# Altium PCB SNES TST Main.PcbDoc (part 2 of 3) (continued)
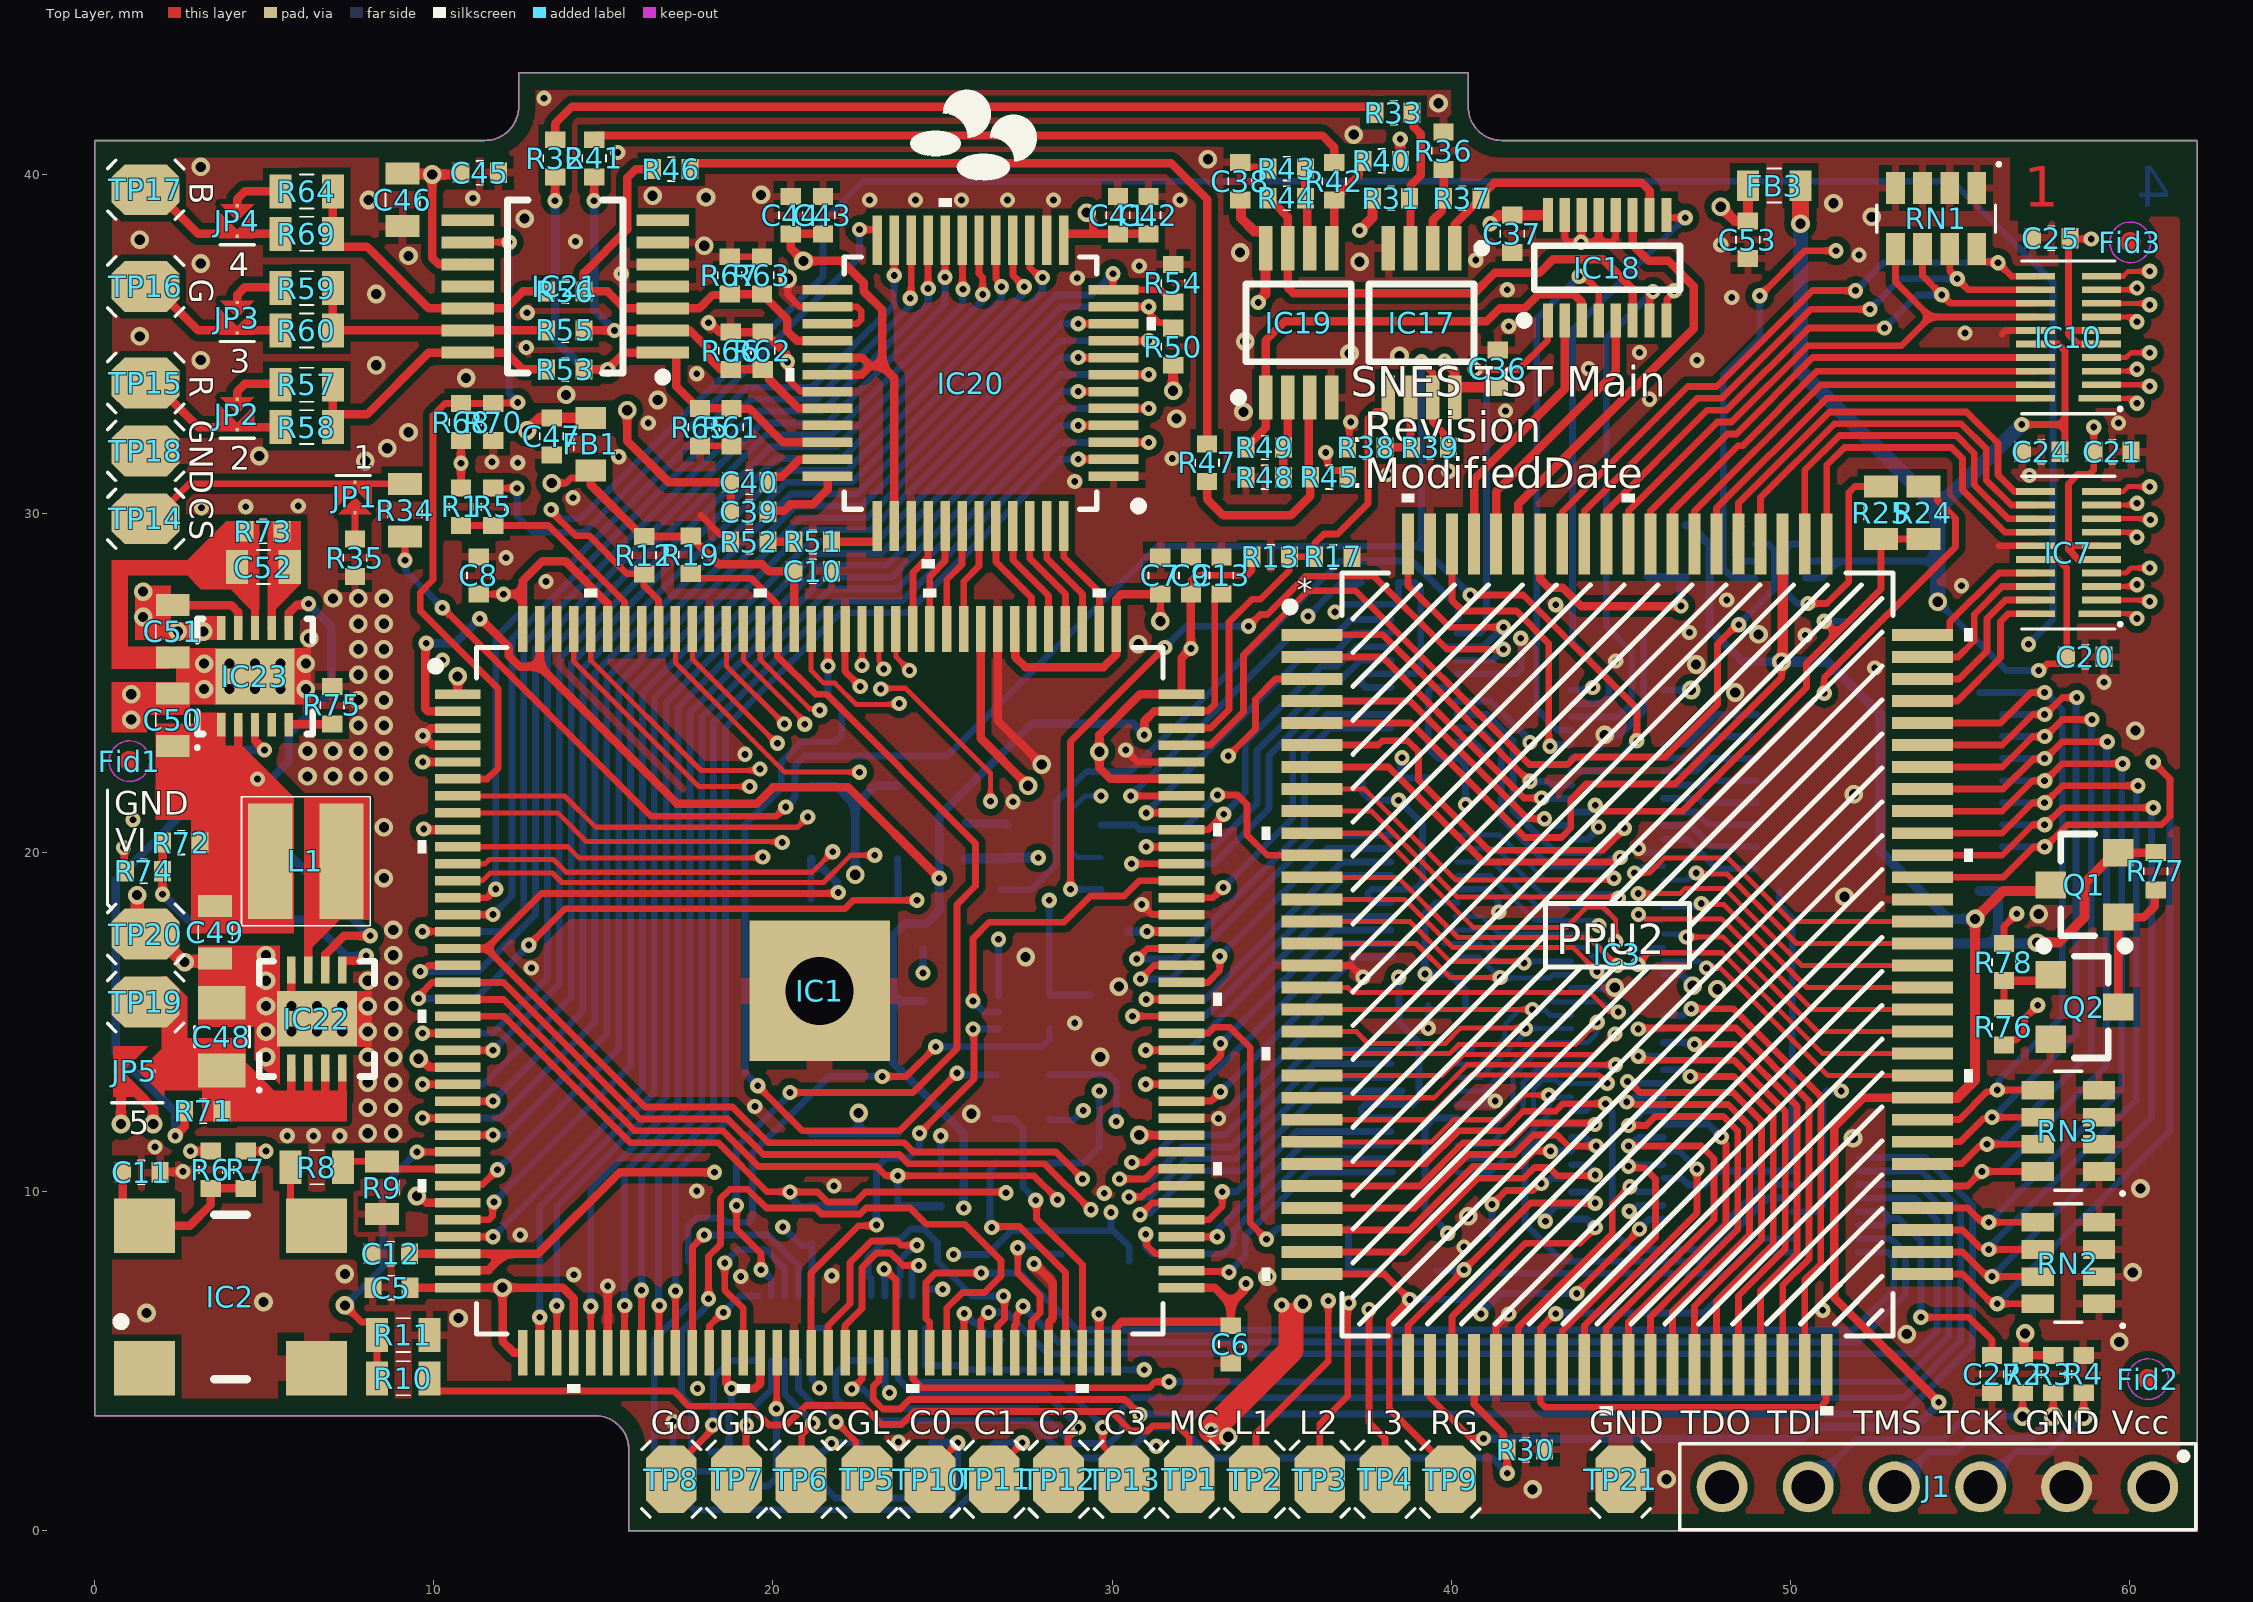
[diagram p0: Top Layer view]
## Nets (pads, with @x,y where several pads share a name; then routed paths per layer and width w, separated by ;. In a path a pad name is that pad's centre, name@x,y a point inside that pad or via, vN(x,y) a via of type N, cw(c..) or ccw(c..) an arc to the next point about the centre after c; other vN are vias at no path point) (continued)
D3V5: IC1.90 IC9.8 | length 9.9
  Top Layer w0.2: v1(31.005,15.675) IC1.90@32.047,15.675
  Bottom Layer w0.2: v1(31.005,15.675) 32.735,15.675 36.785,19.725 IC9.8@38.225,19.725
D3V6: IC1.91 IC9.9 | length 8.1
  Top Layer w0.2: IC1.91@32.047,16.175 32.823,16.175 33.175,16.527 v1(33.175,16.95)
  Bottom Layer w0.2: v1(33.175,16.95) 36.35,20.125 IC9.9@38.225,20.125
D3V7: IC1.92 IC9.10 | length 10.5
  Top Layer w0.2: v1(30.839,16.275) 31.24,16.675 IC1.92@32.047,16.675
  Bottom Layer w0.2: v1(30.839,16.275) 31.75,16.275 35.413,19.938 36,20.525 IC9.10@38.225,20.525
D4PPU: IC3.11 IC4.4 | length 9.3
  Top Layer w0.2: v1(33.107,21.704) 33.696,21.704 33.975,21.425 33.975,20.525 34.575,19.925 IC3.11@35.9,19.925 34.625,19.925
  Bottom Layer w0.2: IC4.4@29.673,20.814 30.686,20.814 30.825,20.675 32.078,20.675 v1(33.107,21.704)
D5V0: IC3.15 IC9.20 J2.44 | length 9.6
  Top Layer w0.15: IC3.15@35.9,17.325 38.961,17.325 39.961,16.325 41.446,16.325 v1(41.449,16.323)
  Bottom Layer w0.15: IC9.20@40.175,16.925 40.816,16.925 41.418,16.323 v1(41.449,16.323) ; v1@41.45,16.325 41.475,16.3 42.9,16.3 43,16.4 J2.44@43.545,16.4
D5V1: IC3.14 IC9.19 J2.42 | length 10.6
  Top Layer w0.15: IC3.14@35.9,17.975 38.78,17.975 39.955,16.8 42.1,16.8 v1(42.15,16.75)
  Bottom Layer w0.15: IC9.19@39.791,17.325 40.84,17.325 41.392,16.773 42.127,16.773 v1(42.15,16.75) ; v1@42.268,16.8 J2.42@43.545,16.8
D5V2: IC3.13 IC9.18 J2.40 | length 14.4
  Top Layer w0.15: IC3.13@35.9,18.625 38.625,18.625 40.05,17.2 43.6,17.2 v1(44.3,16.5)
  Bottom Layer w0.15: IC9.18@39.826,17.725 40.864,17.725 41.389,17.2 J2.40@43.545,17.2 43.908,17.2 44.3,16.808 v1(44.3,16.5)
D5V3: IC3.12 IC9.17 J2.38 | length 15.5
  Top Layer w0.15: IC3.12@35.9,19.275 38.425,19.275 40.2,17.5 44.067,17.5 44.891,16.676 v1(44.902,16.676)
  Bottom Layer w0.15: IC9.17@40.11,18.125 40.889,18.125 41.414,17.6 J2.38@43.545,17.6 43.549,17.596 43.971,17.596 44.891,16.676 v1(44.902,16.676)
D5V4: IC4.5 IC9.14 J2.36 | length 24.3
  Power Layer w0.15: v1(29.675,21.675) 30.675,20.675 39.775,20.675 42.599,17.851 v1(44.352,17.851)
  Bottom Layer w0.15: IC4.5@29.673,19.864 28.986,19.864 28.775,20.075 28.775,21.25 29.2,21.675 v1(29.675,21.675) v1@29.673,21.673 ; IC9.14@40.175,19.325 41.141,19.325 42.466,18 44.203,18 v1(44.352,17.851)
D5V5: IC3.10 IC9.13 J2.34 | length 17.2
  Top Layer w0.15: IC3.10@35.9,20.575 37.875,20.575 40.65,17.8 43.4,17.8 44,18.4 44.475,18.4 44.85,18.025 v1(44.85,17.375)
  Bottom Layer w0.15: IC9.13@40.175,19.725 41.236,19.725 42.561,18.4 44.448,18.4 44.85,17.998 v1(44.85,17.375)
D5V6: IC3.9 IC9.12 J2.32 | length 15.5
  Top Layer w0.15: IC3.9@35.9,21.225 37.649,21.225 40.174,18.7 44.9,18.7 v1(44.934,18.665)
  Bottom Layer w0.15: IC9.12@40.175,20.125 41.34,20.125 42.665,18.8 44.718,18.8 44.853,18.665 v1(44.934,18.665)
D5V7: IC3.8 IC9.11 J2.30 | length 15.2
  Top Layer w0.15: IC3.8@35.9,21.875 37.45,21.875 40.125,19.2 44.75,19.2 v1(44.8,19.25)
  Bottom Layer w0.15: IC9.11@40.175,20.525 41.435,20.525 42.76,19.2 44.75,19.2 v1(44.8,19.25)
DACCLK: IC20.24 R5.2 | length 16.7
  Top Layer w0.2: R5.2@11.825,30.75 v1(12.45,30.75) ; v1(22.55,38.375) 23.035,38.375 23.075,38.335 IC20.24@23.075,38.066
  Bottom Layer w0.2: v1(12.45,30.75) 12.45,29.925 12.925,29.45 14.424,29.45 22.55,37.576 v1(22.55,38.375)
EXTLATCH: IC3.29 J2.72 | length 10.4
  Top Layer w0.2: IC3.29@35.9,8.225 38.614,8.225 40.79,10.4 42.14,10.4 42.46,10.72 42.88,10.72 43.125,10.475 44.231,10.475 v1(44.25,10.494)
  Bottom Layer w0.2: J2.72@43.545,10.8 44.001,10.8 44.25,10.551 v1(44.25,10.494)
FIELD3V: IC1.98 IC8.4 | length 12
  Top Layer w0.2: v1(30.575,19.675) IC1.98@32.047,19.675
  Bottom Layer w0.2: v1(30.575,19.675) 33,19.675 34.625,21.3 34.625,22.865 36.235,24.475 IC8.4@38.225,24.475
FIELD5V: IC3.36 IC8.17 J2.75 | length 29
  Top Layer w0.2: IC3.36@41.975,4.9 41.975,6 44.75,8.775 44.75,9.625 v1(45.275,10.15)
  Power Layer w0.2: v1(42.325,23.25) 41.364,23.25 39.825,21.711 39.825,21.175 42.575,18.425 44.503,18.425 45.994,16.934 45.994,13.669 45.7,13.375 45.7,12.154 ; v1(45.275,10.15) 45.293,10.15 45.7,10.557 45.7,12.153
  Bottom Layer w0.2: IC8.17@40.175,24.475 41.163,24.475 42.325,23.313 v1(42.325,23.25) ; v1(45.275,10.15) 45.343,10.15 45.493,10 J2.75@46.255,10
GAMP: IC18.6 IC19.7 R44.1 | length 14.8
  Top Layer w0.25: R44.1@34.65,39.275 34.65,39.25 34.775,39.125 34.8,39.125 35.175,38.75 IC19.7@35.175,37.825 35.175,36.671 35.346,36.5 40.682,36.5 41.282,37.1 42.6,37.1 43,37.5 44.475,37.5 45.35,36.625 IC18.6@45.35,35.7
GDAC: IC20.32 IC21.2 R41.2 R55.2 R62.2 R66.2 | length 13
  Top Layer w0.25: R55.2@14.425,35.4 IC21.2@16.75,35.4 17.55,35.4 18.05,34.9 18.05,34.65 18.45,34.25 R66.2@18.75,34.25 R62.2@19.7,34.25 ; v1(14.725,39.225) R41.2@14.725,39.925 ; R62.2@19.875,34.169 19.875,33.975 20.75,33.1 IC20.32@21.609,33.1
  Bottom Layer w0.25: v1(14.725,39.225) 14.725,36 v1(15.325,35.4)
GDIG1: IC1.46 IC20.2 | length 33.8
  Top Layer w0.2: IC1.46@17.125,5.253 v1(17.125,7.075) ; v1(29,31.6) IC20.2@30.041,31.6
  Bottom Layer w0.2: v1(17.125,7.075) 17.125,10.575 18.6,12.05 18.6,23.7 21.975,27.075 23.95,27.075 28.475,31.6 v1(29,31.6)
GDIG2: IC1.45 IC20.3 | length 36.6
  Top Layer w0.2: IC1.45@16.625,5.253 16.638,5.266 16.638,6.638 v1(16.65,6.65) ; IC20.3@30.041,32.1 v1(31.083,32.1)
  Bottom Layer w0.2: v1(16.65,6.65) 16.625,6.675 16.625,10.585 18.25,12.21 18.25,23.845 21.83,27.425 23.805,27.425 28.48,32.1 v1(31.083,32.1)
GDIG3: IC1.44 IC20.4 | length 35.2
  Top Layer w0.2: IC1.44@16.125,5.253 v1(16.125,7.1) ; v1(29,32.6) IC20.4@30.041,32.6
  Bottom Layer w0.2: v1(16.125,7.1) 16.125,10.58 17.9,12.355 17.9,23.99 21.685,27.775 23.65,27.775 28.475,32.6 v1(29,32.6)
GDIG4: IC1.43 IC20.5 | length 38
  Top Layer w0.2: IC1.43@15.625,5.253 v1(15.625,6.65) ; IC20.5@30.041,33.1 v1(31.083,33.1)
  Bottom Layer w0.2: v1(15.625,6.65) 15.625,10.575 17.55,12.5 17.55,24.135 21.54,28.125 23.505,28.125 28.48,33.1 v1(31.083,33.1)
GDIG5: IC1.41 IC20.6 | length 36.8
  Top Layer w0.2: IC1.41@14.625,5.253 v1(14.625,6.625) ; v1(29,33.6) IC20.6@30.041,33.6
  Bottom Layer w0.2: v1(14.625,6.625) 14.625,10.07 17.2,12.645 17.2,24.28 21.395,28.475 23.35,28.475 28.475,33.6 v1(29,33.6)
GDIG6: IC1.39 IC20.7 | length 39.8
  Top Layer w0.2: IC1.39@13.625,5.253 v1(13.625,6.643) ; IC20.7@30.041,34.1 v1(31.083,34.1)
  Bottom Layer w0.2: v1(13.625,6.643) 13.625,9.565 16.85,12.79 16.85,24.425 21.25,28.825 23.205,28.825 28.48,34.1 v1(31.083,34.1)
GDIG7: IC1.38 IC20.8 | length 38.4
  Top Layer w0.2: v1(29,34.6) IC20.8@30.041,34.6
  Top Layer w0.25: IC1.38@13.125,5.253 v1(13.125,6.3)
  Bottom Layer w0.2: v1(13.125,6.3) 13.125,9.56 16.5,12.935 16.5,24.57 21.105,29.175 23.055,29.175 28.48,34.6 v1(29,34.6)
GDIG8: IC1.33 IC20.9 | length 39.2
  Top Layer w0.2: IC1.33@10.703,8.675 v1(11.745,8.675) ; IC20.9@30.041,35.1 v1(31.083,35.1)
  Bottom Layer w0.2: v1(11.745,8.675) 16.15,13.08 16.15,24.715 20.96,29.525 22.91,29.525 28.485,35.1 v1(31.083,35.1)
GDIG9: IC1.32 IC20.10 | length 37
  Top Layer w0.2: IC1.32@10.703,9.175 11.61,9.175 11.727,9.292 11.727,9.652 v1(11.775,9.7) ; v1(29,35.6) IC20.10@30.041,35.6
  Bottom Layer w0.2: v1(11.775,9.7) 15.8,13.725 15.8,24.86 20.815,29.875 22.765,29.875 28.49,35.6 v1(29,35.6)
GND: C1.2 C2.2 C3.2 C4.2 C5.2 C6.2 C7.2 C8.2 C9.2 C10.2 C11.2 C12.2 C13.2 C14.2 C15.2 C16.2 C17.2 C18.2 C19.2 C20.2 C21.2 C22.2 C23.2 C24.2 C25.2 C26.2 C27.2 C28.2 C29.2 C30.2 C31.2 C32.2 C33.2 C34.2 C35.2 C36.2 C37.2 C38.2 C41.1 C42.1 C43.1 C44.1 C45.1 C46.1 C47.2 C48.1 C49.1 C50.1 C51.1 C52.1 C53.2 C54.2 IC1.3 IC1.4 IC1.42 IC1.53 IC1.63 IC1.68 IC1.83 IC1.95 IC1.104 IC1.116 IC1.125 IC1.133 IC1.137 IC1.142 IC1.EPAD IC2.2 IC3.16 IC3.35 IC3.68 IC3.99 IC4.3 IC5.10 IC5.19 IC6.15 IC7.15 IC8.1 IC8.15 IC8.20 IC9.15 IC10.15 IC11.9 IC11.10 IC11.11 IC11.12 IC11.15 IC12.6 IC13.2 IC14.2 IC15.6 IC16.2 IC17.4 IC18.8 IC18.12 IC18.13 IC18.14 IC18.15 IC19.4 IC20.1 IC20.14 IC20.25 IC20.26 IC20.27 IC20.31 IC20.33 IC20.39 IC21.4 IC21.5 IC21.6 IC22.8 IC22.9 IC23.8 IC23.11 J1.2 J2.12 J2.25 J2.46 J2.77 Q2.E R4.2 R9.2 R11.2 R14.1 R17.2 R18.2 R26.2 R27.1 R28.1 R29.2 R30.1 R35.1 R36.1 R38.1 R43.1 R48.2 R52.2 R54.1 R61.1 R62.1 R63.1 R65.1 R66.1 R67.1 R70.2 R73.2 R74.2 R75.2 RN1.1 RN1.2 RN1.3 RN1.4 RN2.1 RN2.2 RN2.3 RN2.4 RN3.1 RN3.2 RN3.3 RN3.4 TP18.1 TP20.1 TP21.1 | length 78.6
  Top Layer w0.2: v1(0.846,20.154) 0.873,20.127 0.873,19.477 R74.2@0.9,19.45 ; R65.1@17.85,32 R61.1@18.775,32 ; 17.875,29.95 18.45,29.375 18.6,29.375 18.75,29.225 R52.2@18.75,29.175 ; R67.1@18.725,37.575 R63.1@19.675,37.575 ; v1(20.425,34.475) 20.473,34.427 20.473,33.939 20.812,33.6 IC20.31@21.609,33.6 ; v2(20.437,36.925) 20.437,36.441 20.778,36.1 IC20.26@21.609,36.1 22.483,36.1 22.6,35.983 22.6,35.717 22.483,35.6 IC20.27@21.609,35.6 ; IC1.125@22.125,26.597 22.125,25.35 v1(22.575,24.9) ; IC1.63@25.625,5.253 25.632,5.26 25.632,6.405 v1(25.639,6.412) ; v1(30.4,23.026) v1(30.4,23.026) 30.753,22.675 IC1.104@32,22.675 ; v1(30.875,18.475) 31.175,18.175 IC1.95@32.047,18.175 ; C38.2@33.8,40.375 33.85,40.375 34,40.225 R43.1@34.65,40.225 ; IC3.16@35.9,16.675 37.05,16.675 v1(37.4,16.325) ; R38.1@36.95,31.95 36.993,31.993 36.993,32.661 v1(37.036,32.704) ; R36.1@39.704,41.31 R36.1@39.714,41.3 ; IC3.35@41.325,4.9 41.325,6.025 v1(41.7,6.4) ; IC18.15@43.35,38.8 43.35,38.117 43.467,38 v1(43.825,38) ; IC18.14@43.85,38.8 43.85,38 44.35,38 ; IC18.13@44.35,38.8 44.35,38 ; IC18.12@44.85,38.8 44.85,38.138 44.712,38 44.35,38 ; IC18.8@46.35,35.7 46.368,35.718 46.368,36.323 46.575,36.53 v1(46.575,36.575) ; 56.15,29.05 IC7.15@57.225,29.05 ; 56.25,35.3 56.35,35.4 IC10.15@57.225,35.4
  Top Layer w0.25: C11.2@1.925,10.575 1.937,10.587 2.588,10.587 v1(2.6,10.6) ; IC23.8@4.725,26.625 4.725,27.275 ; v2(5.8,15.475) 5.8,15.795 5.8,16.27 IC22.8@5.8,16.545 ; IC1.4@10.703,23.175 9.95,23.175 v1(9.675,23.45) 9.7,23.45 9.925,23.675 IC1.3@10.703,23.675 ; IC1.42@15.125,5.253 v1(15.125,7.225) ; v1(18.095,35.629) 18.149,35.629 18.429,35.35 R66.1@18.75,35.35 19.75,35.35 20.387,34.713 20.387,34.513 v1(20.425,34.475) ; IC1.116@26.625,26.597 26.625,23.9 v2(27.925,22.6) ; v1(27.695,7.877) 28.25,7.322 28.25,6.273 28.14,6.163 28.14,5.268 IC1.68@28.125,5.253
  Top Layer w0.4: v2(1.25,18.75) 1.25,17.85 TP20.1@1.5,17.6 1.787,17.6 2.612,16.775 v2(2.65,16.775) 2.679,16.804 3.479,16.804 C49.1@3.55,16.875
  Bottom Layer w0.2: C35.2@17.05,2.325 v1(17.05,3.225) ; C2.2@24.95,10.675 v1(24.95,11.65) ; v1(25.639,6.412) 25.9,6.15 25.979,6.15 26.214,5.914 26.34,5.789 26.575,5.789 26.725,5.639 C32.2@26.725,5.6 ; v1(33.139,12.161) 33.186,12.161 35.95,14.925 35.95,14.975 36.1,15.125 36.15,15.125 ; v1(35.775,26.975) 36.725,27.925 37.3,27.925 C23.2@37.35,27.975 ; v1(38.547,22.8) 38.511,22.764 38.511,22.211 38.5,22.2 C22.2@39.325,22.2 ; v1(39.325,14.825) C28.2@39.325,15.5 ; IC6.15@40.175,12.575 41.132,12.575 41.232,12.675 v1(41.3,12.675) ; IC9.15@40.175,18.925 41.025,18.925 41.379,18.571 41.379,18.271 v1(41.4,18.25) ; IC8.20@40.175,23.275 40.65,23.275 40.95,22.975 ; IC8.15@40.175,25.275 41.9,25.275 42.075,25.45 42.075,26.3 v1(42.05,26.325) ; J2.46@43.545,16 44.8,16 v2(44.825,16.025) ; J2.12@43.545,22.8 44.025,22.8 44.458,23.233 44.458,23.383 44.525,23.45 v2(44.525,23.475) 44.975,23.475 45.675,24.175 45.675,26.425 45.7,26.45 ; v1(45.25,9.425) 45.318,9.425 45.493,9.6 J2.77@46.255,9.6 ; v1(45.525,20.125) 45.593,20.125 45.718,20 J2.25@46.255,20 ; 48.575,29.625 48.375,29.425 48.375,28.75 48.525,28.6 IC13.2@48.95,28.6
  Bottom Layer w0.25: C16.2@25.7,20.9 25.743,20.857 26.88,20.857 IC4.3@26.923,20.814
  other v1: 31.3,2.5 23.7,2.625 17.775,4.2 50.958,6.508 19.05,7.5 21.736,7.525 14.129,7.554 40.375,8.375 12.55,8.725 29.771,9.96 17.75,10.025 21.8,10.175 1.775,11.325 5.675,11.65 6.45,11.65 7.225,11.65 19.466,12.516 28.9,14.975 12.875,16.6 1.125,20.975 27.075,21.5 19.175,22.9 59.25,25.025 52.493,25.446 44.85,25.65 10.252,25.675 50.439,26.411 47.024,26.496 43.086,27.311 48.125,27.45 55.05,27.875 13.304,27.996 12.125,28.7 3.15,30.175 4.45,30.2 6,30.225 14.102,30.47 28.9,30.95 57.05,31.125 38.125,31.15 39.925,31.25 12.475,31.5 11.713,31.525 31.775,31.625 15.45,31.675 16.325,32.675 59.675,32.675 41.6,33.025 45.85,33.375 17.75,34.125 44.05,34.275 47.25,34.525 45.55,34.75 12.725,34.9 55.15,35.325 41.7,35.525 12.75,35.925 48.275,36.375 41.65,36.6 28.975,36.95 15.525,37.075 30.8,37.3 40.725,37.475 52.025,37.625 47.952,37.927 14.175,38.025 22.85,39.25 24.206,39.25 25.562,39.25 26.919,39.25 28.275,39.25 32,39.25 11.15,39.3 15.425,40.65 13.25,42.25
  other v2: 42.4,1.225 46.35,1.525 59.7,5.575 53.431,5.803 10.725,6.275 1.525,6.425 4.975,6.75 34.575,7.5 7.375,7.575 60.1,7.625 40.5,9.275 60.325,10.1 51.85,11.583 8.05,11.725 8.8,11.725 25.85,12.3 8.05,12.475 8.8,12.475 8.05,13.225 8.8,13.225 5.05,13.975 8.05,13.975 8.8,13.975 29.65,13.975 5.05,14.725 5.8,14.725 6.55,14.725 7.3,14.725 8.05,14.725 8.8,14.725 5.05,15.475 6.55,15.475 7.3,15.475 8.05,15.475 8.8,15.475 47.85,15.975 30.2,16.05 5.05,16.225 8.05,16.225 8.8,16.225 27.45,16.925 5.05,16.975 8.8,16.975 8.8,17.725 57.325,18.193 51.6,18.7 8.525,19.25 8.525,20.75 51.875,21.725 6.275,22.25 7.025,22.25 7.775,22.25 8.525,22.25 6.275,23 7.025,23 7.775,23 8.525,23 60.175,23.6 7.775,23.75 8.525,23.75 1.075,23.925 7.775,24.5 8.525,24.5 1.075,24.675 48.375,24.725 3.225,24.825 3.975,24.825 4.725,24.825 5.475,24.825 6.225,24.825 7.775,25.25 8.525,25.25 47.224,25.549 3.225,25.575 3.975,25.575 4.725,25.575 5.475,25.575 6.225,25.575 7.775,26 8.525,26 30.775,26.15 6.325,26.325 49.061,26.439 7.775,26.75 8.525,26.75 7.025,27.5 7.775,27.5 8.525,27.5 7.975,31.55 4.85,31.7 8.625,31.925 9.25,32.4 31.9,32.8 33.875,33 16.6,33.35 13.9,33.5 10.95,34 8.3,34.375 3.125,34.525 38.475,34.65 37,34.725 33.925,35.075 1.325,35.225 8.3,36.475 3.125,37.375 37.3,37.425 9.25,37.6 33.775,37.7 17.975,37.9 1.325,38.075 12.675,38.7 52.4,38.75 51.275,39.15 8.075,39.25 18.025,39.325 16.45,39.375 19.65,39.4 3.125,40.225 32.825,40.45 37.125,41.175 39.625,42.1
GPPU: IC3.96 IC18.5 | length 8.1
  Top Layer w0.25: IC3.96@41.325,29.1 41.325,30.65 44.85,34.175 IC18.5@44.85,35.7
GREEN: IC21.13 R55.1 R59.1 R60.1 | length 7.6
  Top Layer w0.25: R60.1@7.025,35.4 IC21.13@11,35.4 R55.1@13.325,35.4 ; R60.1@7.025,35.65 R59.1@7.025,36.9
GREENOUT: JP3.1 R60.2 TP16.1 | length 4.5
  Top Layer w0.25: TP16.1@1.65,36.8 3.05,35.4 R60.2@5.475,35.4 ; TP16.1@1.875,36.475 TP16.1@1.95,36.4
GSYS: IC18.7 J2.6 | length 15.9
  Top Layer w0.2: IC18.7@45.85,35.7 45.85,36.382 45.951,36.482 v1(45.951,36.55)
  Bottom Layer w0.2: J2.6@43.545,24 44.925,24 45.325,24.4 45.325,25.925 44.575,26.675 44.575,35.174 v1(45.951,36.55)
HBLANK3V: IC1.60 IC11.3 | length 38.7
  Top Layer w0.2: IC1.60@24.125,5.253 24.125,4.475 24.375,4.225 31.097,4.225 31.272,4.4 v1(31.675,4.4)
  Bottom Layer w0.2: v1(31.675,4.4) 53.318,4.4 54.675,5.757 54.675,6.23 54.675,9.32 54.475,9.52 54.35,9.645 53.78,10.215 IC11.3@52.007,10.215
HBLANK5V: IC3.25 IC11.18 J2.64 | length 20.6
  Top Layer w0.2: IC3.25@35.9,10.825 39.235,10.825 40.21,11.8 41.55,11.8 42.126,12.376 43.074,12.376 43.298,12.6 v1(44.55,12.6)
  Bottom Layer w0.2: J2.64@43.545,12.4 43.975,12.4 44.175,12.6 v1(44.55,12.6) 44.55,12.54 44.75,12.34 44.75,8.85 45.3,8.3 47.3,8.3 49.215,10.215 IC11.18@50.057,10.215
HCLD: IC3.39 J2.69 | length 8.4
  Top Layer w0.2: IC3.39@43.933,4.9 43.933,6.063 47.25,9.38 v1(47.25,10.675)
  Bottom Layer w0.2: J2.69@46.255,11.2 46.725,11.2 v1(47.25,10.675)
HVC: IC3.98 J2.10 | length 8.7
  Top Layer w0.2: IC3.98@40.025,29.1 40.025,27.443 40.343,27.124 41.926,27.124 42.876,26.174 42.876,23.179 v1(42.915,23.14)
  Bottom Layer w0.2: v1(42.915,23.14) 42.96,23.185 43.53,23.185 J2.10@43.545,23.2
LED1: IC1.69 R21.2 | length 7.1
  Top Layer w0.2: v1(26.45,8.95) 26.475,8.975 27.269,8.975 28.625,7.619 IC1.69@28.625,5.253
  Bottom Layer w0.2: v1(26.45,8.95) 26.45,9.018 26.4,9.068 26.4,10.65 R21.2@26.6,10.85
LED2: IC1.70 R22.2 | length 8.3
  Top Layer w0.2: v1(27.751,9.753) 27.773,9.73 27.773,9.202 29.125,7.85 IC1.70@29.125,5.253
  Bottom Layer w0.2: R22.2@26.55,12.15 R22.2@26.6,12.15 27.1,12.15 27.375,11.875 27.375,10.146 27.751,9.771 v1(27.751,9.753)
LED3: IC1.126 R14.2 R23.2 | length 23.9
  Top Layer w0.2: v1(19.55,13.125) 20.875,11.8 23.725,11.8 v1(25.425,13.5) ; v1(21.625,25.507) IC1.126@21.625,26.597
  Bottom Layer w0.2: v1(19.55,13.125) 19.175,13.5 19.175,20.828 20.241,21.894 20.241,22.661 20.855,23.275 21.85,23.275 22.025,23.45 R14.2@22.025,23.85 ; v1(21.625,25.507) 21.625,24.642 22.029,24.238 R14.2@22.029,23.854 ; v1(25.425,13.5) 25.493,13.5 25.543,13.45 R23.2@26.6,13.45
LEDOUT1: R21.1 TP2.1 | length 22.5
  Top Layer w0.2: TP2.1@34.2,1.525 34.242,1.567 34.242,2.867 36.372,4.997 v1(36.372,6.786)
  Power Layer w0.2: v1(29.625,12.975) 30.3,13.65 31.19,13.65 32.45,12.39 32.45,7.908 34.193,6.165 35.834,6.165 36.277,6.608 36.277,6.624 36.372,6.719 v1(36.372,6.786)
  Bottom Layer w0.2: R21.1@28.15,10.85 29.15,10.85 29.625,11.325 v1(29.625,12.975)
LEDOUT2: R22.1 TP3.1 | length 20.5
  Top Layer w0.2: TP3.1@36.125,1.525 36.125,3.15 36.95,3.975 36.95,6.696 v1(36.977,6.722)
  Power Layer w0.2: v1(29.15,12.4) 29.778,12.4 30.078,12.7 31.545,12.7 32.075,12.17 32.075,7.787 34.046,5.815 36.203,5.815 36.977,6.589 v1(36.977,6.722)
  Bottom Layer w0.2: R22.1@28.15,12.15 28.175,12.125 28.875,12.125 v1(29.15,12.4)
LEDOUT3: R23.1 TP4.1 | length 21.9
  Top Layer w0.2: v1(37.577,6.532) 37.577,3.198 38.05,2.725 TP4.1@38.05,1.525
  Power Layer w0.2: v1(30.125,12.075) 30.4,12.35 31.4,12.35 31.7,12.05 31.7,7.667 33.917,5.45 36.402,5.45 37.483,6.532 v1(37.577,6.532)
  Bottom Layer w0.2: R23.1@28.15,13.45 29.9,13.45 30.125,13.225 v1(30.125,12.075)
MCLKO: IC3.31 J2.76 R16.1 | length 9.9
  Top Layer w0.2: IC3.31@38.725,4.9 38.725,6.05 v1(40.375,7.7) 42.341,9.666 v1(44.25,9.666)
  Bottom Layer w0.2: R16.1@39.55,7.675 40.35,7.675 v1(40.375,7.7) ; J2.76@43.548,9.997 44.005,9.997 44.202,9.799 44.202,9.714 v1(44.25,9.666)
MCLKO3V: IC1.88 R15.2 | length 9.2
  Top Layer w0.2: IC1.88@32.047,14.675 32.828,14.675 33.003,14.85 33.475,14.85 34.075,14.25 34.075,9.075 v1(34.55,8.6)
  Bottom Layer w0.2: v1(34.55,8.6) 34.875,8.925 R15.2@35.425,8.925
MCLKOSC: IC1.29 R8.1 R9.1 | length 3.5
  Top Layer w0.2: R8.1@7.325,10.725 7.5,10.9 R9.1@8.475,10.9 8.7,10.675 IC1.29@10.703,10.675
MCLKSYS: IC1.28 R10.1 R11.1 | length 9.3
  Top Layer w0.2: v2(7.375,6.65) 7.863,6.162 8.1,6.162 8.325,5.937 R11.1@8.325,5.775 R10.1@8.325,4.5 ; v1(9.5,11.175) IC1.28@10.703,11.175
  Bottom Layer w0.2: v2(7.375,6.65) 8.5,7.775 8.5,10.175 v1(9.5,11.175)
MCLKSYS5V: R10.2 TP1.1 | length 25.4
  Top Layer w0.2: R10.2@9.875,4.5 9.875,4.35 10.1,4.125 17.075,4.125 17.525,3.675 19.329,3.675 19.879,3.125 20.403,3.125 20.973,3.695 22.646,3.695 23.2,3.141 23.786,3.141 24.17,3.525 29.975,3.525 30.55,2.95 31.048,2.95 31.201,3.103 31.922,3.103 32.275,2.75 TP1.1@32.275,1.525
MD7PAT3V: IC1.58 IC11.1 | length 43.2
  Top Layer w0.2: IC1.58@23.125,5.253 23.125,4.438 22.958,4.271 22.958,3.878 23.237,3.599 23.749,3.599 24.025,3.875 30.375,3.875 v1(30.825,3.425)
  Bottom Layer w0.2: v1(30.825,3.425) 30.85,3.45 53.358,3.45 55.375,5.467 55.375,9.61 53.97,11.015 IC11.1@52.039,11.015
MD7PAT5V: IC5.1 IC11.20 | length 8
  Bottom Layer w0.2: IC5.1@49.675,18.875 49.675,18.45 50.057,18.068 IC11.20@50.057,11.015
NetC11_1: C11.1 IC2.4 R6.2 R7.2 | length 5.6
  Top Layer w0.25: C11.1@0.825,10.575 0.825,9.635 IC2.4@1.46,9 2.8,9 3.425,9.625 R6.2@3.425,10.1 R7.2@4.45,10.1
NetC39_2: C39.2 IC20.36 | length 2.4
  Top Layer w0.25: C39.2@19.85,30.05 19.879,30.079 20.329,30.079 20.525,30.275 21.175,30.275 21.609,30.709 IC20.36@21.609,31.1
NetC40_2: C40.2 IC20.35 | length 2.1
  Top Layer w0.25: C40.2@19.85,30.925 19.85,30.965 19.975,31.09 20.265,31.09 20.76,31.585 21.594,31.585 IC20.35@21.609,31.6
NetC52_2: C52.2 IC23.7 R73.1 | length 0.6
  Top Layer w0.25: IC23.7@5.225,26.625 5.225,27.275
NetIC1_138: IC1.138 R1.2 R5.1 | length 6.6
  Top Layer w0.2: R1.2@10.8,29.65 13.375,29.65 15.625,27.4 IC1.138@15.625,26.597
NetIC2_3: IC2.3 R8.2 | length 2.1
  Top Layer w0.2: R8.2@5.775,10.725 5.775,9.7 6.475,9 IC2.3@6.54,9
NetIC13_4: IC13.4 R25.2 | length 7.8
  Top Layer w0.2: v1(50.525,27.35) 51.075,27.35 51.725,28 51.725,30.625 51.9,30.8 R25.2@52.675,30.8
  Bottom Layer w0.2: IC13.4@50.45,29.1 50.025,29.1 49.875,28.95 49.875,27.675 50.2,27.35 v1(50.525,27.35)
NetIC17_2: IC17.2 R36.2 R37.1 | length 2.3
  Top Layer w0.25: IC17.2@39.45,37.825 39.45,38.65 39.725,38.925 R37.1@39.725,39.19 ; R37.1@39.775,39.3 R36.2@39.775,40.133
NetIC17_3: IC17.3 R31.1 R33.1 | length 4.2
  Top Layer w0.25: IC17.3@38.8,37.825 38.8,39.675 39.1,39.975 39.1,41.2 38.9,41.4 38.9,41.775 R33.1@38.85,41.825
NetIC17_6: IC17.6 R38.2 R39.2 | length 2.3
  Top Layer w0.25: R38.2@38.05,31.95 38.1,31.9 38.15,31.9 38.2,31.95 R39.2@38.8,31.95 ; IC17.6@38.8,33.425 38.8,32 R39.2@38.85,31.95
NetIC19_2: IC19.2 R48.1 R49.1 | length 2.4
  Top Layer w0.25: R48.1@35.05,31.075 R49.1@35.05,31.95 ; R49.1@35.1,31.95 35.175,32.025 35.175,32.271 IC19.2@35.175,33.425
NetIC19_3: IC19.3 R45.1 R47.1 | length 6.6
  Top Layer w0.25: R47.1@32.8,30.95 32.8,30.425 33.275,29.95 35.275,29.95 35.85,30.525 R45.1@35.85,30.775 ; IC19.3@35.825,33.425 35.802,33.402 35.802,31.123 R45.1@35.85,31.075
NetIC19_5: IC19.5 R40.1 R42.1 | length 2.9
  Top Layer w0.25: R42.1@36.55,39.25 36.6,39.25 36.725,39.375 36.725,39.425 37.275,39.975 37.275,40.275 R40.1@37.4,40.4 ; IC19.5@36.55,37.9 R42.1@36.55,39.25
NetIC19_6: IC19.6 R43.2 R44.2 | length 2.1
  Top Layer w0.25: R44.2@35.7,39.333 R43.2@35.7,40.225 ; R44.2@35.75,39.325 35.75,38.35 35.803,38.297 IC19.6@35.803,38.196 ; R44.2@35.75,39.333 R44.2@35.761,39.322
NetIC20_37: IC20.37 R51.1 | length 1.8
  Top Layer w0.25: R51.1@21.725,29.175 23.06,29.175 23.075,29.19 IC20.37@23.075,29.634
NetIC22_5: IC22.5 R72.2 R74.1 | length 9.3
  Top Layer w0.25: v1(2,18.775) R74.1@2,19.3 ; R74.1@2,19.45 R72.2@2,20.3 ; IC22.5@7.3,16.545 7.3,16.82 7.812,16.82 7.953,16.961 v1(8.007,16.961)
  Top Layer w0.3: R74.1@2,19.3 R74.1@2,19.45
  Bottom Layer w0.25: v1(2,18.775) 2.75,18.025 6.35,18.025 7.425,16.95 7.996,16.95 v1(8.007,16.961)
NetIC22_6: IC22.6 IC23.3 R71.2 | length 24.4
  Top Layer w0.25: v1(2.375,11.65) 2.65,11.925 R71.2@2.65,12.375 ; IC23.3@4.725,23.775 4.725,23.3 4.993,23.032 v1(5.007,23.032) ; IC22.6@6.8,16.545 6.8,17 7.35,17.55 v1(8.125,17.55)
  Bottom Layer w0.25: v1(2.375,11.65) 2.375,12.35 0.625,14.1 0.625,19.2 3.55,22.125 ; v1(5.007,23.032) 4.457,23.032 3.55,22.125 ; v1(8.125,17.55) 3.55,22.125
NetIC22_7: IC22.7 L1.1 | length 0.8
  Top Layer w0.25: IC22.7@6.3,16.545 6.3,17.375
NetIC23_5: IC23.5 R75.1 | length 1.3
  Top Layer w0.25: IC23.5@5.725,23.775 5.725,23.787 6.987,23.787 R75.1@7,23.8
NetJP1_2: JP1.2 R35.2 | length 0.7
  Top Layer w0.2: R35.2@7.675,29.3 JP1.2@7.675,30.025
NetJP2_2: JP2.2 R57.2 | length 1.6
  Top Layer w0.25: JP2.2@4.2,33.375 4.2,33.6 4.425,33.825 5.475,33.825 R57.2@5.475,33.8
NetJP3_2: JP3.2 R59.2 | length 1.6
  Top Layer w0.25: JP3.2@4.2,36.225 4.2,36.45 4.425,36.675 5.475,36.675 R59.2@5.475,36.65
NetJP4_2: JP4.2 R64.2 | length 1.6
  Top Layer w0.25: JP4.2@4.2,39.05 4.2,39.275 4.425,39.5 R64.2@5.475,39.5
NetQ1_G: Q1.G Q2.C R77.2 | length 4.3
  Top Layer w0.25: Q2.C@59.675,15.45 Q1.G@59.675,18.1 60.425,18.1 60.746,18.421 60.746,18.871 R77.2@60.775,18.9
NetQ2_B: Q2.B R76.1 R78.2 | length 2.3
  Top Layer w0.2: R76.1@56.3,15.425 R78.2@56.3,16.225
  Top Layer w0.25: R78.2@56.575,16.225 57.825,16.225 Q2.B@58,16.4
NetR15_1: R15.1 R16.2 R18.1 | length 2.3
  Bottom Layer w0.2: R15.1@36.975,8.925 R18.1@36.975,7.65 R16.2@38,7.65
NetR32_1: R32.1 R33.2 | length 24.9
  Top Layer w0.25: R32.1@13.575,41.025 13.575,41.5 14.075,42 37.575,42 R33.2@37.75,41.825
NetR41_1: R41.1 R42.2 | length 22.4
  Top Layer w0.25: R41.1@14.725,41.025 R41.1@14.85,41.15 ; R41.1@14.8,41.15 R41.1@14.85,41.15 ; R41.1@14.896,41.15 R41.1@14.996,41.15 ; R42.2@36.55,40.565 36.55,40.8 36.2,41.15 R41.1@14.996,41.15 ; R41.1@14.85,41.15 R41.1@14.996,41.15
NetR46_1: R46.1 R47.2 | length 22.8
  Top Layer w0.25: R46.1@17.675,40.335 31.74,40.335 32.8,39.275 R47.2@32.8,32.05
NetR51_2: R51.2 R52.1 | length 0.8
  Top Layer w0.25: R52.1@19.85,29.175 R51.2@20.625,29.175
OVER13V: IC1.57 IC11.2 | length 43.6
  Top Layer w0.2: v1(22.325,4.184) 22.332,4.184 22.625,4.477 IC1.57@22.625,5.253
  Bottom Layer w0.2: v1(22.325,4.184) 22.652,4.184 23.236,3.6 23.63,3.6 ; 23.63,3.6 27.778,3.6 28.803,2.575 29.922,2.575 30.3,2.953 30.3,3.625 30.6,3.925 53.338,3.925 55.025,5.612 55.025,9.465 53.875,10.615 IC11.2@52.007,10.615
OVER15V: IC11.19 J2.73 | length 4.1
  Bottom Layer w0.2: J2.73@46.255,10.4 46.8,10.4 47,10.2 47.482,10.2 47.897,10.615 IC11.19@50.057,10.615
OVERPAT3V: IC1.61 IC11.8 | length 34
  Top Layer w0.2: IC1.61@24.625,5.253 24.625,6.142 24.511,6.257 24.511,7.326 24.793,7.608 v1(26.139,7.608)
  Bottom Layer w0.2: v1(26.139,7.608) 27.292,7.608 28.975,5.925 51.85,5.925 53.05,7.125 53.05,8.05 52.885,8.215 IC11.8@52.007,8.215
OVERPAT5V: IC3.37 IC3.50 IC11.13 | length 20
  Top Layer w0.2: v1(43.086,6.402) 43.048,6.402 42.629,5.983 42.629,4.904 42.625,4.9 42.625,3.8 42.78,3.645 50.87,3.645 51.05,3.825 51.05,4.875 IC3.50@51.075,4.9
  Bottom Layer w0.2: v1@43.26,6.428 47.448,6.428 49.235,8.215 IC11.13@50.057,8.215
PA3V0: IC1.74 IC6.1 | length 7.8
  Top Layer w0.2: IC1.74@32.047,7.675 32.07,7.651 33.424,7.651 v1(33.447,7.628)
  Bottom Layer w0.2: v1(33.447,7.628) 33.925,8.105 33.925,8.7 35.8,10.575 IC6.1@38.275,10.575
PA3V1: IC1.75 IC6.2 | length 10.5
  Top Layer w0.2: v1@31.02,8.724 31.02,8.425 31.27,8.175 IC1.75@32.047,8.175
  Bottom Layer w0.2: v1(30.995,8.75) 30.995,8.359 31,8.354 31,8.35 31.175,8.175 33.272,8.175 33.575,8.478 33.575,8.845 35.705,10.975 IC6.2@38.225,10.975
PA3V2: IC1.76 IC6.3 | length 7.4
  Top Layer w0.2: IC1.76@32.047,8.675 v1(33.1,8.675)
  Bottom Layer w0.2: v1(33.1,8.675) 33.148,8.723 33.148,8.923 35.6,11.375 IC6.3@38.225,11.375
PA3V3: IC1.77 IC6.4 | length 7.5
  Top Layer w0.2: IC1.77@32.047,9.175 32.85,9.175 33.25,9.575 v1(33.25,9.999)
  Bottom Layer w0.2: v1(33.25,9.999) 33.674,9.999 35.45,11.775 IC6.4@38.225,11.775
PA3V4: IC1.78 IC6.7 | length 10.6
  Top Layer w0.2: v1(30.825,9.325) 31.175,9.675 IC1.78@32.047,9.675
  Bottom Layer w0.2: v1(30.825,9.325) 30.871,9.371 31.121,9.371 32.373,10.623 33.803,10.623 36.155,12.975 IC6.7@38.552,12.975
PA3V5: IC1.79 IC6.8 | length 10.9
  Top Layer w0.2: v1(30.5,9.85) 30.855,9.85 31.03,10.025 31.11,10.025 31.26,10.175 IC1.79@32.047,10.175
  Bottom Layer w0.2: v1(30.5,9.85) 31.1,9.85 32.225,10.975 33.655,10.975 36.055,13.375 IC6.8@38.225,13.375